# Altium PCB LAB_B3_209_V1.PcbDoc (part 2 of 4) (continued)
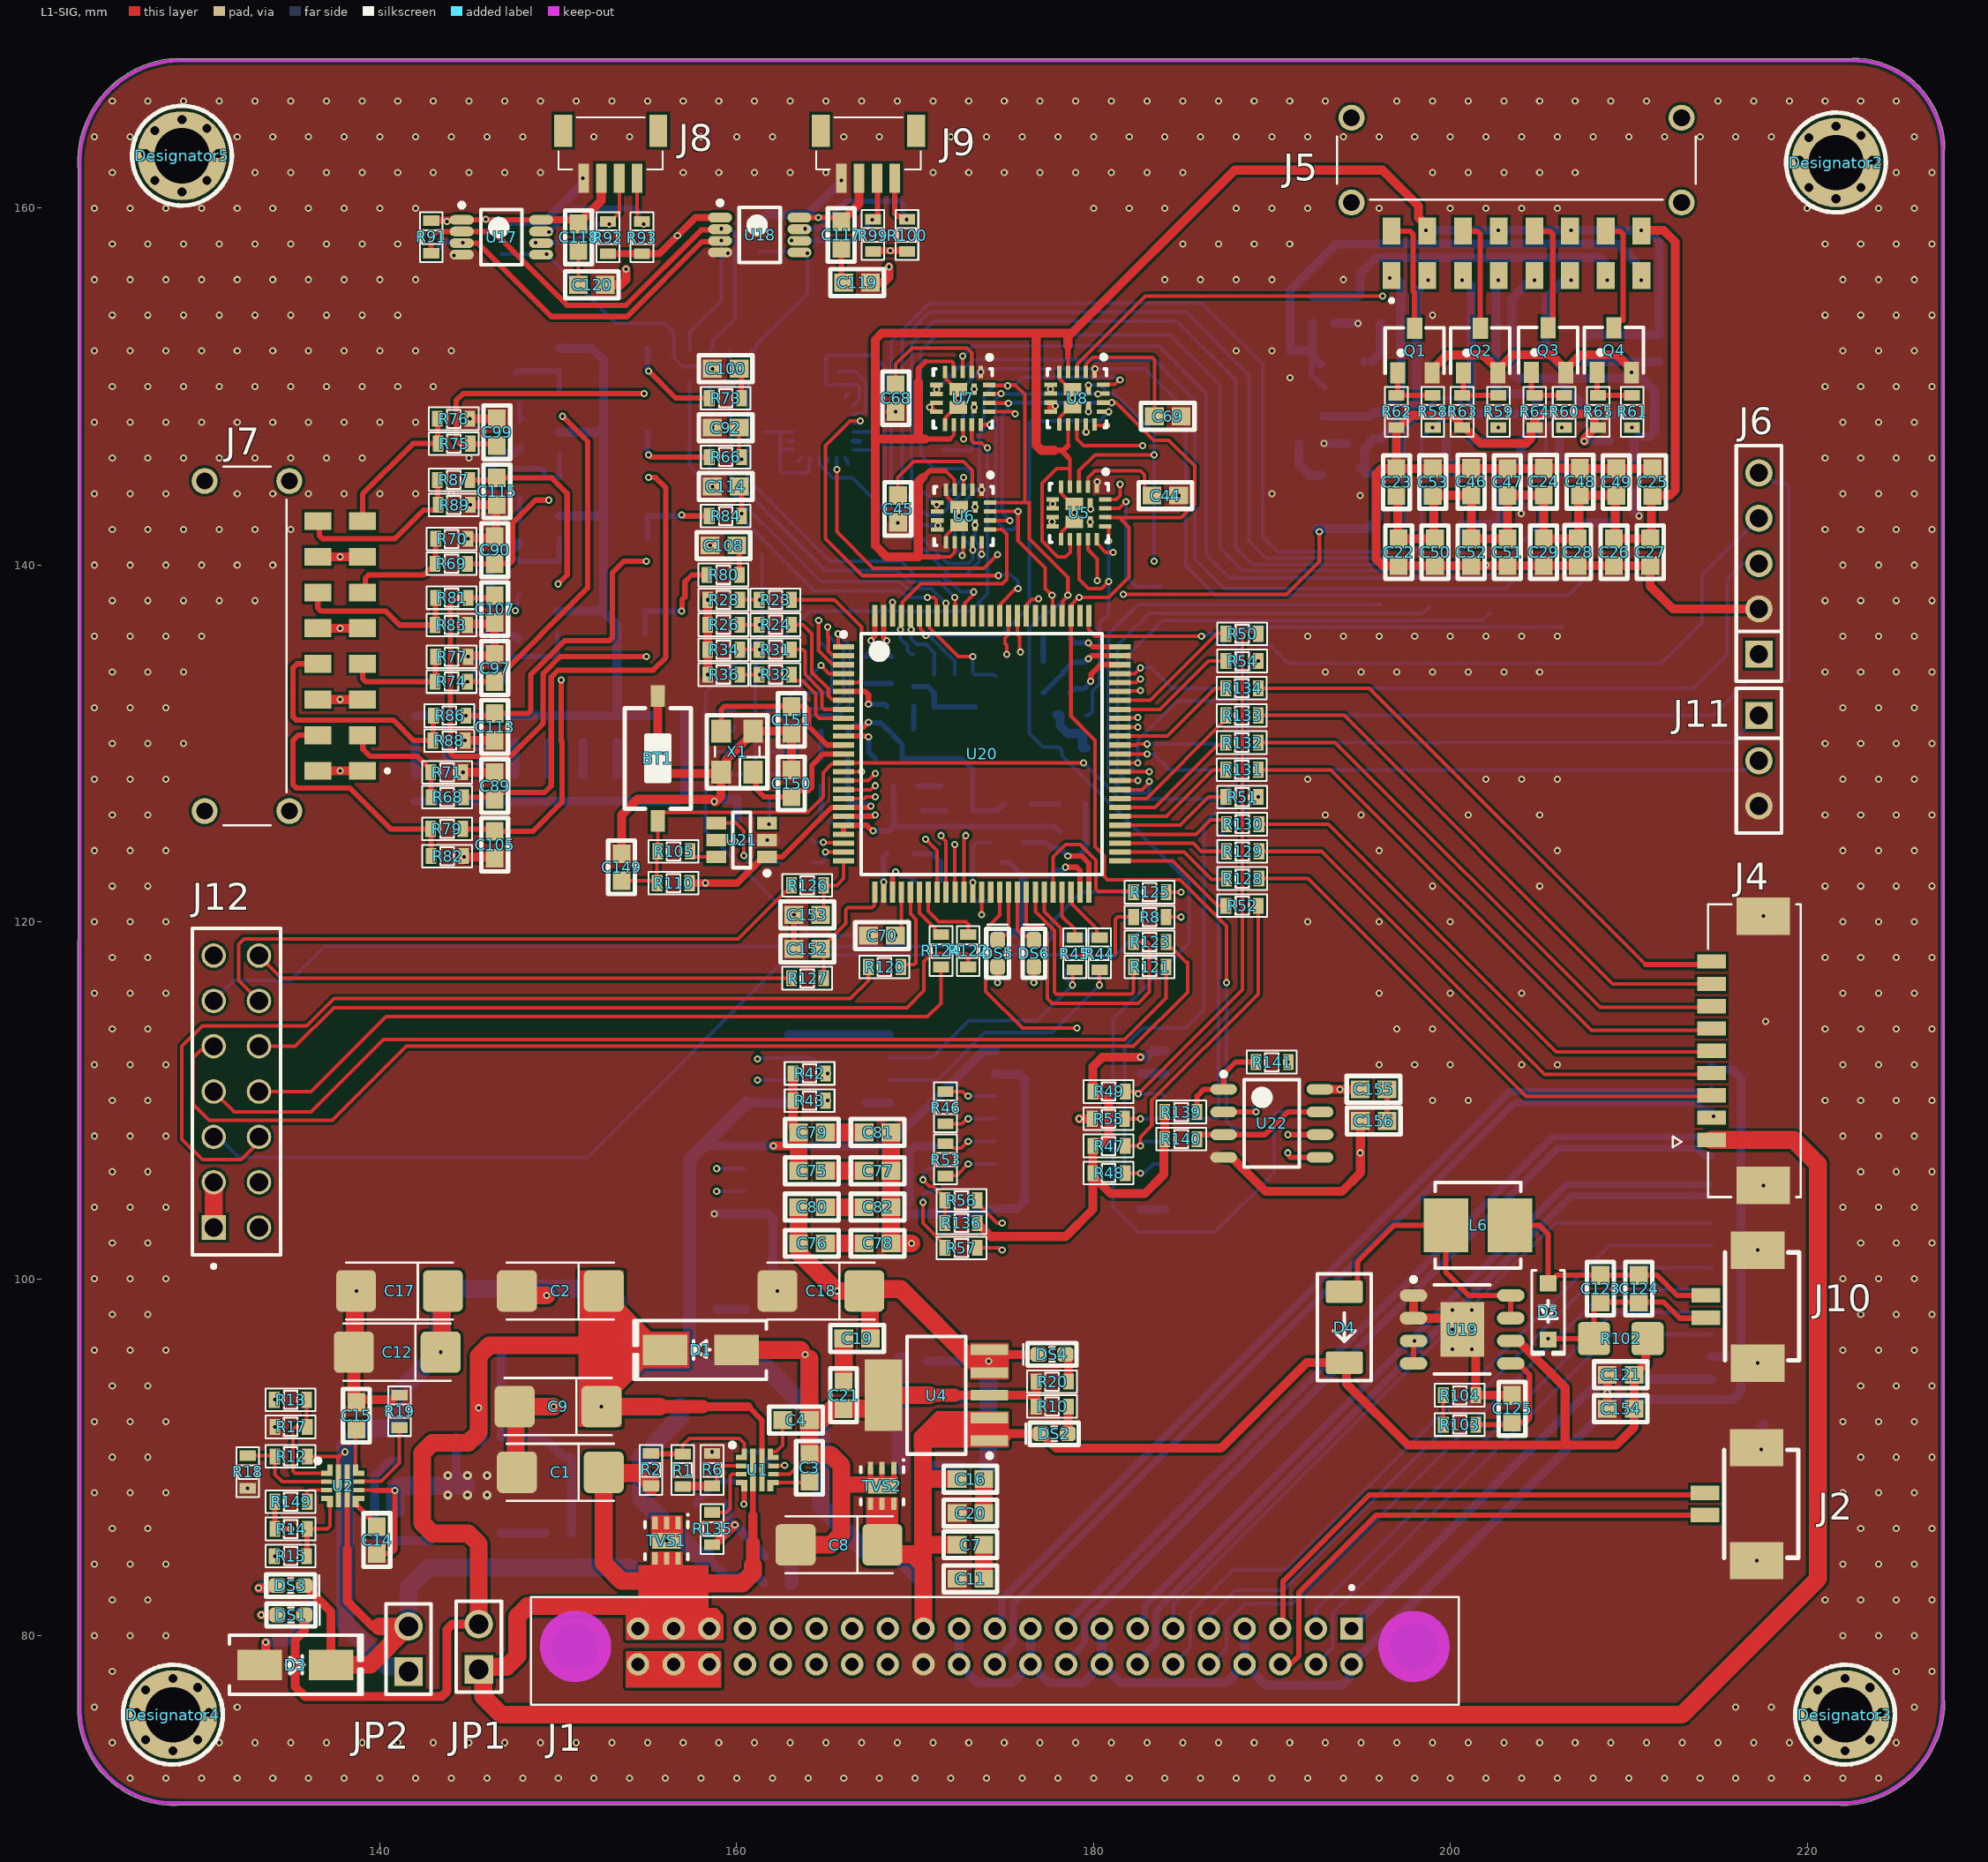
[diagram p0: L1-SIG view]
## Nets (pads, with @x,y where several pads share a name; then routed paths per layer and width w, separated by ;. In a path a pad name is that pad's centre, name@x,y a point inside that pad or via, vN(x,y) a via of type N, cw(c..) or ccw(c..) an arc to the next point about the centre after c; other vN are vias at no path point) (continued)
  L1-SIG w0.2: 170.592,151.415 172.054,151.415 172.146,151.323 172.146,150.84 U7.4@172.171,150.815 ; 171.323,140.462 171.974,140.462 172.22,140.708 U6.11@172.22,141.273 ; 171.704,145.288 172.195,144.797 172.195,144.248 U6.4@172.22,144.223 ; 171.958,147.066 172.171,147.279 U7.11@172.171,147.865 ; 178.562,146.05 178.681,145.931 178.681,145.415 ; 178.562,146.685 178.57,146.693 U8.11@178.57,147.877 ; 178.562,151.638 178.57,151.63 U8.4@178.57,150.827 ; U5.11@178.681,141.449 178.689,141.441 178.689,140.716 178.435,140.462 177.985,140.462 177.106,141.341 177.106,144.594 177.927,145.415 178.681,145.415 ; U5.4@178.681,144.399 178.681,145.415 ; J5.10@198.616,158.762 v2(198.628,158.75)
  L1-SIG w0.3: U2.6@138.171,88.392 138.171,84.84 138.175,84.836 ; 170.18,140.462 171.323,140.462 ; 170.18,150.241 170.18,151.003 170.592,151.415 ; 170.434,144.907 170.815,145.288 171.704,145.288 ; 170.561,147.066 171.958,147.066 ; 177.8,146.431 178.181,146.431 ; 178.562,146.05 178.181,146.431 ; 178.562,146.685 178.308,146.431 178.181,146.431 ; 178.562,151.638 178.562,152.273
  L1-SIG w0.5: DS3.A@135.751,82.804 135.791,82.804 137.255,81.34 D3.2@137.255,78.359 ; 138.175,84.836 138.171,84.832 138.171,81.92 139.573,80.518 139.967,80.518 ; 170.18,150.241 170.18,147.066 ; 170.434,144.907 170.18,144.653 170.18,140.462 168.402,140.462 167.767,141.097 167.767,147.066 ; 170.561,147.066 170.18,147.066 ; 177.8,146.431 177.077,146.431 176.784,146.724 176.784,152.992 ; 178.562,152.273 178.562,152.781 178.773,152.992 ; C23.1@196.977,143.891 197.04,143.827 197.04,141.53 C22.1@197.104,141.466 C50.1@199.136,141.466 199.072,141.53 199.072,143.852 199.015,143.909 201.162,143.909 201.168,143.903 C52.1@201.168,141.466 C51.1@203.2,141.466 C47.1@203.2,143.903 203.206,143.909 205.226,143.909 205.232,143.903 C29.1@205.232,141.466 205.238,141.472 207.131,141.472 C28.1@207.137,141.478 ; v2(198.628,158.75) 198.628,159.048 198.219,159.457 198.219,160.116 196.199,162.136 187.917,162.136 178.773,152.992 ; C28.1@207.143,141.472 C28.1@207.137,141.478 ; v2(210.693,158.75) 211.963,158.75 212.598,158.115 212.598,144.196 212.305,143.903 C25.1@211.328,143.903 211.264,143.839 211.264,141.53 C27.1@211.201,141.466 C26.1@209.169,141.466 209.232,141.53 209.232,143.852 209.29,143.909 207.27,143.909 C48.1@207.264,143.915 207.201,143.852 207.201,141.541 C28.1@207.137,141.478 ; 167.767,147.066 170.18,147.066 ; 167.767,147.066 167.767,152.627 168.132,152.992 176.784,152.992 ; 176.784,152.992 178.773,152.992
  L1-SIG w1: D3.2@137.255,78.359 139.445,78.359 JP2.2@141.604,80.518 139.967,80.518
  L3-VCC w1: v8(154.051,83.693) 204.978,83.693 213.106,91.821 213.106,156.337 v2(210.693,158.75)
  L6-SIG w0.5: v2(198.628,158.75) v2(202.692,158.75) v2(206.756,158.75) v2(210.693,158.75) 211.074,158.75 211.709,158.115 C122.1@211.709,152.896 C139.1@210.312,152.896 C83.1@208.915,152.896 C84.1@207.518,152.896
  L6-SIG w1: JP2.2@141.604,80.518 141.604,82.677 142.747,83.82 C13.1@154.028,83.82
HEATER_1_B: J5.9 Q1.3 | length 6.6
  L1-SIG w0.3: J5.9@196.708,158.718 197.732,158.718 197.908,158.542 197.908,155.344 197.998,155.254 Q1.3@197.998,153.269
HEATER_2_B: J5.11 Q2.3 | length 6.3
  L1-SIG w0.3: J5.11@200.708,158.718 201.505,158.718 201.681,158.542 Q2.3@201.681,153.269
HEATER_3_B: J5.13 Q3.3 | length 6.5
  L1-SIG w0.3: J5.13@204.708,158.718 205.564,158.718 205.74,158.542 205.74,153.543 Q3.3@205.486,153.289
HEATER_4_B: J5.15 Q4.3 | length 6.6
  L1-SIG w0.3: J5.15@208.708,158.718 209.501,158.718 209.677,158.542 209.677,153.719 209.444,153.719 209.169,153.444 Q4.3@209.169,153.289
IR_LED_P: C123.1 C124.1 D5.2 J10.1 R102.2 U19.3 U19.4 | length 20
  L1-SIG w0.3: U19.4@197.935,95.25 U19.3@197.935,96.52 v5(197.993,96.52) ; D5.2@205.486,96.596 205.537,96.647 R102.2@208.05,96.647 208.05,98.309 208.407,98.666 C123.1@208.407,98.691 C124.1@210.566,98.691 211.951,98.691 212.852,97.79 214.293,97.79 J10.1@214.323,97.82
  L4-SIG w0.3: v5(197.993,96.52) 205.359,96.52 v5(205.486,96.647)
ISO_CANH: J1.18 U11.7 | length 28.6
  L4-SIG w0.2: v2(158.877,106.172) 157.988,105.283 157.988,84.963 160.466,82.485 J1.18@160.466,80.391
  L6-SIG w0.2: v2@159.004,106.172 U11.7@160.435,106.172
ISO_CANL: J1.39 U11.6 | length 29.5
  L4-SIG w0.2: v2(158.877,104.902) 159.442,104.337 159.442,85.541 161.544,83.439 161.544,79.469 J1.39@160.466,78.391
  L6-SIG w0.2: v2@159.004,104.902 U11.6@160.435,104.902
ISO_RS485_R+: J1.37 R46.1 U12.14 | length 38.3
  L1-SIG w0.2: R46.1@171.704,110.49 172.666,110.49 172.92,110.236 v2(172.974,110.236)
  L4-SIG w0.2: J1.37@164.466,78.391 165.587,79.512 165.587,102.849 v2(172.974,110.236)
  L6-SIG w0.2: v2(172.974,110.236) U12.14@174.498,110.236
ISO_RS485_R-: J1.36 R46.2 U12.13 | length 36.2
  L1-SIG w0.2: R46.2@171.704,108.674 172.628,108.674 172.92,108.966 v2(172.974,108.966)
  L4-SIG w0.2: J1.36@166.466,78.391 167.587,79.512 167.587,103.579 v2(172.974,108.966)
  L6-SIG w0.2: v2(172.974,108.966) U12.13@174.498,108.966
ISO_RS485_T+: J1.16 R53.2 U12.11 | length 43.3
  L1-SIG w0.2: R53.2@171.704,105.753 171.74,105.789 172.337,105.789 v2(172.974,106.426)
  L4-SIG w0.2: J1.16@164.466,80.391 164.592,80.517 164.592,102.743 172.593,110.744 173.99,110.744 174.498,110.236 174.498,108.584 172.974,107.06 v2(172.974,106.426)
  L6-SIG w0.2: v2(172.974,106.426) U12.11@174.498,106.426
ISO_RS485_T-: J1.15 R53.1 U12.12 | length 38.2
  L1-SIG w0.2: R53.1@171.704,107.569 171.854,107.569 172.108,107.315 172.593,107.315 v2(172.974,107.696)
  L4-SIG w0.2: J1.15@166.466,80.391 166.466,103.094 172.973,109.601 173.873,109.601 173.99,109.484 173.99,108.712 v2(172.974,107.696)
  L6-SIG w0.2: v2(172.974,107.696) U12.12@174.498,107.696
ISO_SCL: 10.3 J1.17 R42.1 | length 37.2
  L4-SIG w0.2: v2(161.163,112.326) 161.112,112.326 160.713,111.927 160.713,88.334 162.466,86.581 J1.17@162.466,80.391
  L6-SIG w0.2: v2(161.163,112.326) 161.198,112.361 162.876,112.361 10.3@162.91,112.395 164.211,112.395 v2(165.1,111.506)
ISO_SDA: 10.2 J1.38 R43.1 | length 38.6
  L4-SIG w0.2: v2(161.163,111.125) 162.814,109.474 162.814,90.043 163.587,89.27 163.587,79.512 J1.38@162.466,78.391
  L6-SIG w0.2: v2(161.163,111.125) 10.2@162.91,111.125 163.957,111.125 v2(165.1,109.982)
"LED B": DS6.A U20.42 | length 3.3
  L1-SIG w0.2: U20.42@175.736,121.663 175.736,119.539 176.09,119.185 176.459,119.185 DS6.A@176.657,118.987
"LED G": DS5.A U20.41 | length 3.1
  L1-SIG w0.2: DS5.A@174.625,118.987 174.897,119.259 175.119,119.259 175.236,119.376 U20.41@175.236,121.663
"MCU NRST": BT1.1 C149.1 R105.1 R110.2 R117.2 U20.14 | length 45.8
  L1-SIG w0.2: C149.1@153.543,122.313 155.398,122.313 R110.2@155.537,122.174 155.537,123.914 R105.1@155.575,123.952 BT1.1@155.575,125.659 155.575,125.837 155.875,126.137 163.983,126.137 164.846,127 164.846,128.377 165.332,128.863 165.936,128.863 U20.14@165.986,128.913 165.99,128.909 179.447,128.909 v2(179.451,128.905)
  L6-SIG w0.2: v2(179.451,128.905) 181.483,126.873 186.905,126.873 188.087,128.055 188.087,131.455 187.97,131.572 R117.2@187.414,131.572
"MCU SWCLK": R116.2 U20.76 | length 9
  L1-SIG w0.2: U20.76@179.736,137.163 179.705,137.132 179.705,136.398 180.087,136.016 v2(186.054,136.016)
  L6-SIG w0.2: v2(186.054,136.016) 186.093,136.055 186.365,136.055 186.454,136.144 186.779,136.144 R116.2@187.414,135.509
"MCU SWDIO": R115.2 U20.72 | length 6.5
  L1-SIG w0.2: U20.72@181.486,133.913 182.299,133.913 182.625,134.239 v2(182.626,134.239)
  L6-SIG w0.2: v2(182.626,134.239) 183.261,134.239 184.404,133.096 R115.2@187.414,133.096
"MCU VDDA": C131.1 C133.1 L7.2 U20.21 U20.22 | length 15.2
  L1-SIG w0.3: U20.22@165.986,124.913 U20.21@165.986,125.413 167.295,125.413 167.613,125.095 v2(167.64,125.095)
  L6-SIG w0.3: v2(167.64,125.095) 168.541,125.095 168.795,125.349 ; C133.1@168.783,127.635 168.783,126.25 C131.1@168.795,126.238 168.795,125.349 ; L7.2@178.081,125.095 177.827,125.349 168.795,125.349
MCU_ADC_TEMP1: C92.1 R66.1 U20.15 | length 30.9
  L1-SIG w0.2: C92.1@160.135,147.701 160.135,146.189 R66.1@160.274,146.05 ; U20.15@165.986,128.413 v2(167.005,128.413)
  L4-SIG w0.2: v5(160.274,145.923) 158.75,145.923 156.464,143.637 156.464,132.486 158.05,130.9 160.537,128.413 v2(167.005,128.413)
MCU_ADC_TEMP2: C98.1 R72.2 U20.16 | length 37.7
  L1-SIG w0.2: U20.16@165.986,127.913 167.371,127.913 v2(167.767,128.309)
  L4-SIG w0.2: v6@147.955,148.208 147.955,146.812 150.437,144.33 150.437,136.075 159.385,127.127 163.449,127.127 164.285,127.963 167.406,127.963 167.752,128.309 v2(167.767,128.309)
  L6-SIG w0.3: C98.1@147.828,148.07 147.828,148.081 v6(147.956,148.208) ; C98.1@147.828,148.203 R72.2@147.828,149.06
MCU_ADC_TEMP3: C91.1 R67.2 U20.17 | length 36.4
  L1-SIG w0.2: U20.17@165.986,127.413 167.491,127.413 167.713,127.635 v2(167.767,127.635)
  L4-SIG w0.2: v6(147.828,143.667) 149.225,142.27 149.225,132.715 155.664,126.276 163.868,126.276 165.205,127.613 167.745,127.613 v2(167.767,127.635)
  L6-SIG w0.3: C91.1@147.828,142.494 C91.1@147.828,142.736 R67.2@147.828,143.726
MCU_ADC_TEMP4: C100.1 R73.1 U20.18 | length 56.9
  L1-SIG w0.2: U20.18@165.986,126.913 167.167,126.913 167.254,127 v2(167.767,127)
  L1-SIG w0.3: C100.1@160.135,151.003 160.274,150.864 R73.1@160.274,149.352
  L4-SIG w0.2: v5(160.02,150.876) 159.2,150.056 149.167,150.056 146.939,147.828 146.939,140.97 148.59,139.319 148.59,131.318 153.982,125.926 164.788,125.926 165.862,127 v2(167.767,127)
MCU_ADC_TEMP5: C106.1 R78.2 U20.33 | length 34.3
  L1-SIG w0.2: v2(170.587,124.642) 171.236,123.993 U20.33@171.236,121.663
  L4-SIG w0.2: v6(145.288,133.731) 145.288,132.461 152.781,124.968 164.974,124.968 165.3,124.642 v2(170.587,124.642)
  L6-SIG w0.3: v6(145.288,133.731) 145.415,133.604 C106.1@145.427,133.604 ; C106.1@145.377,133.731 R78.2@145.377,134.747
MCU_ADC_TEMP6: C114.1 R84.1 U20.34 | length 34.2
  L1-SIG w0.2: v2(171.45,124.841) 171.45,124.787 171.736,124.501 U20.34@171.736,121.663
  L1-SIG w0.3: C114.1@160.135,144.399 160.274,144.26 R84.1@160.274,142.748
  L4-SIG w0.2: v5(160.274,142.875) 157.988,140.589 157.988,131.457 160.159,129.286 168.148,129.286 171.45,125.984 v2(171.45,124.841)
MCU_ADC_TEMP7: C108.1 R80.1 U20.35 | length 32.5
  L1-SIG w0.2: v2(172.212,124.333) 172.224,124.321 172.224,121.675 U20.35@172.236,121.663
  L1-SIG w0.3: C108.1@160.008,141.097 160.147,140.958 R80.1@160.147,139.446
  L4-SIG w0.2: v5(160.02,141.097) 158.75,139.827 158.75,131.19 160.019,129.921 169.037,129.921 172.212,126.746 v2(172.212,124.333)
MCU_ADC_TEMP8: C116.1 R85.2 U20.36 | length 45.1
  L1-SIG w0.2: U20.36@172.736,121.663 172.736,124.73 v2(172.847,124.841)
  L4-SIG w0.2: v5(147.594,137.434) 146.07,137.434 144.399,135.763 144.399,131.826 152.966,123.259 171.774,123.259 172.847,124.332 v2(172.847,124.841)
  L6-SIG w0.2: C116.1@147.701,137.39 147.701,138.265 R85.2@147.828,138.392
MCU_EF_5_AUX: R15.2 U20.84 | length 89.1
  L1-SIG w0.2: U20.84@175.736,137.163 175.736,136.109 175.857,135.988 175.857,135.166 v2(175.895,135.128)
  L4-SIG w0.2: v2(134.112,84.455) 153.543,84.455 154.305,85.217 154.305,110.744 158.369,114.808 171.323,114.808 172.72,116.205 172.72,120.396 173.99,121.666 173.99,123.825 175.895,125.73 v2(175.895,135.128)
MCU_EF_5_EN: R13.2 U20.85 | length 78.5
  L1-SIG w0.2: v2(175.134,135) 175.134,135.511 175.044,135.6 175.044,135.917 175.236,136.109 U20.85@175.236,137.163
  L4-SIG w0.2: v5(134.112,93.218) 151.003,93.218 152.908,95.123 152.908,111.252 157.353,115.697 170.307,115.697 171.831,117.221 171.831,121.444 173.228,122.841 173.228,124.333 175.134,126.239 v2(175.134,135)
MCU_EF_12_AUX: R4.2 U20.38 | length 46.7
  L1-SIG w0.2: v2(173.736,120.396) U20.38@173.736,121.663
  L4-SIG w0.2: v6(157.48,88.646) 157.48,110.998 160.274,113.792 171.704,113.792 173.99,116.078 173.99,120.142 v2(173.736,120.396)
MCU_EXP_CAN_RX: R57.1 U20.70 | length 39.2
  L1-SIG w0.2: R57.1@173.482,101.727 174.698,101.727 174.825,101.6 v5(174.879,101.6) ; U20.70@181.486,132.913 181.514,132.941 182.598,132.941 v5(182.626,132.969)
  L4-SIG w0.2: v5(174.879,101.6) 173.99,102.489 173.99,103.505 177.292,106.807 177.292,118.872 183.642,125.222 183.642,132.715 183.388,132.969 v5(182.626,132.969)
MCU_EXP_CAN_TX: R56.1 U20.71 | length 38.6
  L1-SIG w0.2: R56.1@173.482,104.394 173.482,104.244 174.602,103.124 v5(174.879,103.124) ; U20.71@181.486,133.413 182.386,133.413 182.577,133.604 v5(182.626,133.604)
  L4-SIG w0.2: v5(174.879,103.124) 177.8,106.045 177.8,118.491 184.023,124.714 184.023,133.096 183.515,133.604 v5(182.626,133.604)
MCU_EXP_RS485_DE: R52.2 U20.51 | length 7
  L1-SIG w0.2: U20.51@181.486,123.413 184.435,123.413 186.931,120.917 187.401,120.917 R52.2@187.414,120.904
MCU_EXP_RS485_R\E\: R51.2 U20.55 | length 6.6
  L1-SIG w0.2: U20.55@181.486,125.413 184.849,125.413 186.436,127 R51.2@187.414,127
MCU_EXP_RS485_RX: R50.2 U20.69 | length 7.5
  L1-SIG w0.2: U20.69@181.486,132.413 183.165,132.413 186.931,136.179 187.449,136.179 R50.2@187.462,136.192
MCU_EXP_RS485_TX: R54.2 U20.68 | length 7
  L1-SIG w0.2: U20.68@181.486,131.913 183.729,131.913 186.436,134.62 R54.2@187.414,134.62
MCU_EXP_SCL: R45.1 U20.47 | length 2.8
  L1-SIG w0.2: U20.47@178.236,121.663 178.236,120.311 178.938,119.609 178.938,119.131 R45.1@178.943,119.126
MCU_EXP_SDA: R44.1 U20.48 | length 3.2
  L1-SIG w0.2: U20.48@178.736,121.663 178.786,121.613 178.786,121.009 180.187,119.609 180.187,119.28 R44.1@180.34,119.126
MCU_FRAM_C\S\: R141.2 U20.83 | length 41.3
  L1-SIG w0.2: U20.83@176.236,137.163 176.286,137.213 176.286,137.817 176.543,138.073 176.878,138.073 v2(176.916,138.112)
  L4-SIG w0.2: v2(176.916,138.112) 176.955,138.15 176.955,138.407 178.121,139.573 187.071,139.573 190.881,135.763 v2(190.881,112.141)
MCU_HEATER_PWM1: R58.1 U20.59 | length 40.1
  L1-SIG w0.2: U20.59@181.486,127.413 182.736,127.413 183.134,127.811 v2(183.134,127.863)
  L4-SIG w0.2: v6(196.088,137.795) 199.009,140.716 v5(199.009,147.701)
  L6-SIG w0.2: v2(183.134,127.863) 183.134,127.35 183.007,127.223 181.768,127.223 180.848,128.143 180.848,136.144 182.499,137.795 v6(196.088,137.795)
MCU_HEATER_PWM2: R59.1 U20.60 | length 39.4
  L1-SIG w0.2: U20.60@181.486,127.913 v2(182.475,127.913) v2@182.499,127.889
  L4-SIG w0.2: v6(198.817,137.668) 202.692,141.543 v5(202.692,147.701)
  L6-SIG w0.2: v2(182.475,127.913) 181.84,127.913 181.356,128.397 181.356,135.509 183.134,137.287 198.436,137.287 v6(198.817,137.668)
MCU_HEATER_PWM3: R60.1 U20.61 | length 42.6
  L1-SIG w0.2: U20.61@181.486,128.413 v2(183.118,128.413) v2@183.134,128.397
  L4-SIG w0.2: v6(202.218,137.294) 202.241,137.271 202.549,137.271 206.248,140.97 v5(206.248,147.701)
  L6-SIG w0.2: v2(183.118,128.413) 182.355,128.413 181.991,128.777 181.991,135.011 183.886,136.906 201.83,136.906 v6(202.218,137.294)
MCU_HEATER_PWM4: R61.1 U20.62 | length 43.5
  L1-SIG w0.2: U20.62@181.486,128.913 v2(182.491,128.913) v2@182.499,128.905
  L4-SIG w0.2: v6(206.248,136.525) 210.116,140.393 210.116,143.985 210.185,144.054 v5(210.185,147.701)
  L6-SIG w0.2: v2(182.491,128.913) 182.491,130.167 184.709,132.385 187.807,132.385 188.087,132.665 188.087,136.104 188.508,136.525 v6(206.248,136.525)
MCU_IR_LED_PWM: R103.2 R104.2 U20.40 | length 42.8
  L1-SIG w0.2: U20.40@174.736,121.663 174.736,120.38 173.99,119.634 173.99,119.447 173.96,119.417 173.96,116.108 176.022,114.046 v2(179.07,114.046) ; v5(199.517,93.472) 199.606,93.383 R103.2@199.606,91.821
  L4-SIG w0.2: v2(179.07,114.046) 179.451,114.046 199.517,93.98 v5(199.517,93.472)
MCU_IRQ_0: J1.35 U20.67 | length 60.7
  L1-SIG w0.2: U20.67@181.486,131.413 181.511,131.438 182.459,131.438 v2(182.484,131.463)
  L4-SIG w0.2: J1.35@168.466,78.391 169.587,79.512 169.587,100.245 176.022,106.68 176.022,123.698 183.134,130.81 183.134,131.257 182.89,131.501 182.522,131.501 v2(182.484,131.463)
MCU_IRQ_1: J1.14 U20.66 | length 57.3
  L1-SIG w0.2: U20.66@181.486,130.913 v2(182.475,130.913)
  L4-SIG w0.2: J1.14@168.466,80.391 168.466,100.648 175.387,107.569 175.387,123.825 v2(182.475,130.913)
MCU_LASER_ADC1: C153.1 R126.2 U20.25 | length 4
  L1-SIG w0.2: C153.1@164.453,120.777 C153.1@164.456,120.78 ; C153.1@164.707,120.396 164.884,120.573 R126.2@164.884,122.047 165.608,122.047 165.986,122.425 U20.25@165.986,123.413
MCU_LASER_ADC2: C152.1 R127.2 U20.26 | length 7
  L1-SIG w0.2: R127.2@164.884,116.84 164.884,118.314 C152.1@164.707,118.491 164.732,118.491 165.132,118.891 165.132,118.916 166.116,119.9 166.116,120.682 166.233,120.799 167.592,120.799 167.709,120.916 167.709,121.636 U20.26@167.736,121.663
MCU_LASER_DAC_CS: R123.1 U20.43 | length 16.6
  L1-SIG w0.2: U20.43@176.236,121.663 176.236,119.878 176.353,119.761 177.051,119.761 177.419,119.393 177.419,115.697 177.673,115.443 182.499,115.443 183.134,116.078 183.134,118.755 183.017,118.872 R123.1@182.245,118.872
MCU_LASER_DAC_LATCH: R125.1 U20.46 | length 8.8
  L1-SIG w0.2: U20.46@177.736,121.663 177.736,123.634 178.435,124.333 179.255,124.333 180.136,123.452 180.136,121.837 180.253,121.72 182.191,121.72 R125.1@182.245,121.666
MCU_LASER_MISO: R124.2 U20.31 | length 3
  L1-SIG w0.2: U20.31@170.236,121.663 170.236,120.505 171.1,119.641 171.1,119.491 171.3,119.291 R124.2@171.45,119.291
MCU_LASER_MOSI: R122.2 U20.32 | length 4.2
  L1-SIG w0.2: U20.32@170.736,121.663 170.736,120.602 171.323,120.015 172.847,120.015 172.974,119.888 R122.2@172.974,119.291
MCU_LASER_SCK: R120.2 U20.30 | length 5
  L1-SIG w0.2: R120.2@169.202,117.475 169.329,117.602 169.936,117.602 170.053,117.719 170.053,120.142 169.736,120.459 U20.30@169.736,121.663
MCU_LASER_SW_EXT_CS: R121.1 U20.44 | length 12
  L1-SIG w0.2: U20.44@176.736,121.663 176.736,120.571 177.673,119.634 177.683,119.634 177.8,119.517 177.8,116.068 177.917,115.951 182.128,115.951 182.245,116.068 R121.1@182.245,117.475
MCU_LASER_SW_INT_CS: R8.1 U20.45 | length 10
  L1-SIG w0.2: U20.45@177.236,121.663 177.236,120.579 178.181,119.634 178.181,118.237 178.308,118.11 181.112,118.11 181.229,118.227 181.229,120.152 181.346,120.269 R8.1@182.245,120.269
MCU_PHOTO_ADC_CONV: R133.1 U20.58 | length 8
  L1-SIG w0.2: U20.58@181.486,126.913 182.967,126.913 187.214,131.16 187.214,131.372 R133.1@187.414,131.572
MCU_PHOTO_ADC_CS: R132.1 U20.57 | length 7.4
  L1-SIG w0.2: U20.57@181.486,126.413 183.436,126.413 186.931,129.908 187.275,129.908 R132.1@187.414,130.048
MCU_PHOTO_ADC_EOC: R134.1 U20.65 | length 7
  L1-SIG w0.2: U20.65@181.486,130.413 184.134,130.413 186.817,133.096 R134.1@187.414,133.096
MCU_PHOTO_MISO: R129.1 U20.53 | length 6.2
  L1-SIG w0.2: U20.53@181.486,124.413 185.594,124.413 186.055,123.952 R129.1@187.452,123.952
MCU_PHOTO_MOSI: R130.1 U20.54 | length 6.4
  L1-SIG w0.2: U20.54@181.486,124.913 185.746,124.913 186.563,125.73 187.252,125.73 187.452,125.53 R130.1@187.452,125.476
MCU_PHOTO_PD_CS: R131.1 U20.56 | length 7
  L1-SIG w0.2: U20.56@181.486,125.913 184.079,125.913 186.69,128.524 R131.1@187.414,128.524
MCU_PHOTO_SCK: R128.1 U20.52 | length 6.6
  L1-SIG w0.2: U20.52@181.486,123.913 185.078,123.913 186.602,122.389 187.413,122.389 R128.1@187.452,122.428
MCU_SENSOR1_EN: R96.1 U20.91 | length 21.6
  L1-SIG w0.2: v2(172.212,138.176) 172.236,138.152 U20.91@172.236,137.163
  L6-SIG w0.2: R96.1@159.639,150.241 159.639,145.034 164.973,139.7 169.011,139.7 169.646,139.065 171.323,139.065 v2(172.212,138.176)
MCU_SENSOR2_EN: R97.2 U20.90 | length 22.3
  L1-SIG w0.2: U20.90@172.736,137.163 172.786,137.213 172.786,137.861 173.253,138.328 173.253,138.456 v2(173.291,138.494)
  L6-SIG w0.2: R97.2@160.782,150.203 160.632,150.053 160.632,144.803 165.227,140.208 169.2,140.208 169.993,139.415 171.468,139.415 171.787,139.096 171.928,139.096 172.53,138.494 v2(173.291,138.494)
MCU_SENSOR_SCL: R94.1 U20.92 | length 22
  L1-SIG w0.2: U20.92@171.735,137.164 v2(171.734,137.864)
  L6-SIG w0.2: R94.1@158.496,150.241 158.496,145.288 164.719,139.065 169.151,139.065 169.532,138.684 170.914,138.684 v2(171.734,137.864)
MCU_SENSOR_SDA: R95.1 U20.93 | length 22.5
  L1-SIG w0.2: v2(170.688,138.176) 171.069,138.176 171.186,138.059 171.186,137.213 U20.93@171.236,137.163
  L6-SIG w0.2: R95.1@157.353,150.241 157.353,145.542 164.338,138.557 169.164,138.557 169.545,138.176 v2(170.688,138.176)
MCU_TEC_1_C\S\: R145.1 U5.15 U20.98 | length 28.7
  L1-SIG w0.2: U20.98@168.736,137.163 v2(168.736,137.915) ; U5.15@180.656,142.174 180.823,142.174 180.848,142.149 v2(180.848,141.351)
  L4-SIG w0.2: v2(168.736,137.915) 168.736,136.199 169.426,135.509 171.45,135.509 177.292,141.351 v2(180.848,141.351)
  L6-SIG w0.2: R145.1@179.578,131.572 179.728,131.572 179.928,131.772 179.928,132.937 180.34,133.349 180.34,136.766 180.848,137.274 v2(180.848,141.351)
MCU_TEC_1_EN: R23.1 U20.5 | length 8.6
  L1-SIG w0.2: R23.1@163.068,138.049 165.481,138.049 167.005,136.525 167.005,133.604 166.814,133.413 U20.5@165.986,133.413
MCU_TEC_1_SWEN: R21.1 U20.4 | length 5.6
  L1-SIG w0.2: v2(164.719,134.366) 165.172,133.913 U20.4@165.986,133.913
  L6-SIG w0.2: R21.1@161.671,131.826 162.179,131.826 v2(164.719,134.366)
MCU_TEC_2_C\S\: R146.1 U6.15 U20.97 | length 13.3
  L1-SIG w0.2: v2(169.187,136.384) 169.211,136.409 169.211,137.138 U20.97@169.236,137.163 169.286,137.213 169.286,137.917 170.313,138.944 174.885,138.944 175.133,139.192 175.133,141.732 174.867,141.998 U6.15@174.195,141.998
  L6-SIG w0.2: v2(169.187,136.384) 169.187,135.866 169.576,135.477 169.576,135.201 169.776,135.001 R146.1@169.926,135.001
MCU_TEC_2_EN: R24.1 U20.7 | length 6.2
  L1-SIG w0.2: R24.1@163.068,136.652 163.703,136.652 164.211,136.144 164.211,133.985 165.136,133.06 165.136,132.659 165.332,132.463 165.936,132.463 U20.7@165.986,132.413
MCU_TEC_2_SWEN: R22.1 U20.3 | length 12.6
  L1-SIG w0.2: v2(164.592,136.906) 164.592,135.203 165.332,134.463 165.936,134.463 U20.3@165.986,134.413
  L6-SIG w0.2: R22.1@161.671,130.683 162.316,130.683 162.433,130.8 162.433,131.318 163.957,132.842 165.227,132.842 165.354,132.969 165.354,135.001 164.592,135.763 v2(164.592,136.906)
MCU_TEC_3_C\S\: R147.1 U7.15 U20.96 | length 21.4
  L1-SIG w0.2: U20.96@169.736,137.163 169.759,137.14 169.759,136.412 v2(169.783,136.389) ; U7.15@174.146,148.59 175.46,148.59 175.587,148.463 v2(175.603,148.463)
  L4-SIG w0.2: v2(169.783,136.389) 170.681,137.287 172.72,137.287 174.124,138.691 174.124,140.85 174.739,141.465 174.859,141.465 174.859,147.681 175.603,148.425 v2(175.603,148.463)
  L6-SIG w0.2: v2(169.783,136.389) 169.783,135.852 170.084,135.551 170.61,135.551 171.069,135.093 R147.1@171.069,133.858
MCU_TEC_3_EN: R31.1 U20.8 | length 5.6
  L1-SIG w0.2: R31.1@163.068,135.255 163.713,135.255 163.83,135.138 163.83,133.871 164.786,132.915 164.786,132.03 164.903,131.913 U20.8@165.986,131.913
MCU_TEC_3_SWEN: R29.1 U20.1 | length 12.6
  L1-SIG w0.2: v2(165.681,136.144) 165.681,135.463 165.731,135.413 U20.1@165.986,135.413
  L6-SIG w0.2: R29.1@161.798,128.27 162.941,128.27 163.322,128.651 163.322,130.683 164.211,131.572 165.735,131.572 166.37,132.207 166.37,135.455 v2(165.681,136.144)
MCU_TEC_4_C\S\: R148.1 U8.15 U20.95 | length 25.5
  L1-SIG w0.2: U20.95@170.236,137.163 170.286,137.113 170.286,136.427 170.602,136.112 v2(170.602,136.058)
  L6-SIG w0.2: v2(170.602,136.058) 174.793,136.058 176.403,137.668 176.403,147.965 176.52,148.082 180.343,148.082 v2(180.846,148.585) ; 170.813,136.019 171.512,135.32 172.212,134.62 R148.1@172.212,133.858
MCU_TEC_4_EN: R32.1 U20.9 | length 4.7
  L1-SIG w0.2: R32.1@163.068,133.858 163.068,133.708 163.268,133.508 163.698,133.508 164.436,132.77 164.436,131.601 164.624,131.413 U20.9@165.986,131.413
MCU_TEC_4_SWEN: R30.1 U20.2 | length 13.2
  L1-SIG w0.2: v2(165.1,136.525) 165.1,135.994 165.136,135.958 165.136,135.159 165.332,134.963 165.936,134.963 U20.2@165.986,134.913
  L6-SIG w0.2: R30.1@161.671,129.54 162.824,129.54 162.941,129.657 162.941,131.064 163.83,131.953 165.481,131.953 165.989,132.461 165.989,135.341 165.636,135.694 165.495,135.694 165.138,136.05 165.138,136.487 v2(165.1,136.525)
MCU_TEC_ADC: C70.1 R39.1 U20.29 | length 37.6
  L1-SIG w0.2: C70.1@168.891,119.234 169.236,119.579 U20.29@169.236,121.663
  L4-SIG w0.2: v6(161.416,140.588) 161.416,140.642 161.544,140.77 v6(161.544,145.669)
  L6-SIG w0.2: v6@161.417,140.588 161.417,136.017 158.242,132.842 158.242,125.094 164.083,119.253 v2(168.91,119.253)
MCU_TEC_ADC_CS: U9.21 U20.86 | length 22.5
  L1-SIG w0.2: v2(166.936,148.074) 166.362,148.074 164.973,146.685 164.973,141.478 167.044,139.407 v2(174.664,139.407) ; U20.86@174.736,137.163 174.786,137.213 174.786,137.817 175.614,138.645 175.73,138.645 v2(175.769,138.683)
  L6-SIG w0.2: U9.21@166.546,147.951 166.936,147.951 v2(166.936,148.074) ; v2(174.664,139.407) 174.702,139.445 175.156,139.445 ; 175.157,139.446 175.387,139.446 175.769,139.064 v2(175.769,138.683)
MCU_TEC_MISO: R38.1 R144.2 U5.18 U6.18 U7.18 U8.18 U9.19 U20.79 | length 123
  L1-SIG w0.2: U7.18@174.146,150.09 174.17,150.066 175.167,150.066 v2(175.191,150.041) ; U6.18@174.195,143.498 176.149,143.498 ; v2@175.191,150.066 v2@175.304,150.066 ; v2@175.329,150.09 175.617,150.09 176.149,149.558 176.149,143.498 ; U20.79@178.236,137.163 178.286,137.213 178.286,137.973 178.562,138.249 178.562,139.319 176.403,141.478 176.403,143.498 176.149,143.498 ; U8.18@180.545,150.102 180.57,150.127 181.188,150.127 181.429,150.368 v2(181.483,150.368) ; U5.18@180.656,143.674 181.266,143.674 181.483,143.891 v5(181.483,144.526)
  L4-SIG w0.2: v5(181.483,144.526) v2(181.483,150.368)
  L6-SIG w0.2: U9.19@166.546,148.951 166.546,148.967 166.878,149.299 166.878,149.997 166.761,150.114 165.09,150.114 164.973,150.231 164.973,151.638 165.1,151.765 167.64,151.765 168.275,151.13 168.275,143.637 171.831,140.081 172.975,140.081 173.228,140.334 173.228,140.97 172.72,141.478 172.72,143.51 173.609,144.399 173.609,147.32 173.863,147.574 173.863,149.479 174.498,150.114 174.791,150.114 174.825,150.08 175.153,150.08 v2(175.191,150.041) ; v2@175.191,150.08 175.29,150.08 v2@175.292,150.078 ; v2@175.329,150.114 175.579,150.114 175.603,150.09 176.039,150.526 181.271,150.526 181.429,150.368 v2(181.483,150.368) ; v2(178.562,138.303) 177.638,137.379 177.288,137.379 176.402,136.494 176.402,130.557 177.165,129.794 178.035,129.794 178.235,129.594 178.235,129.328 185.362,122.202 185.362,118.814 181.102,114.554 181.102,104.013 182.499,102.616 186.817,102.616 190.119,105.918 190.119,109.23 190.236,109.347 R144.2@190.919,109.347
MCU_TEC_MOSI: R143.2 U5.17 U6.17 U7.17 U8.17 U9.24 U20.80 | length 87.1
  L1-SIG w0.2: U7.17@174.146,149.59 174.154,149.598 174.813,149.598 v2(174.821,149.606) ; U6.17@174.195,142.998 174.197,143 175.766,143 v2(175.768,143.002) 175.768,141.364 177.292,139.84 177.292,138.684 v2(177.673,138.303) 177.704,138.272 177.704,137.195 U20.80@177.736,137.163 ; U5.17@180.656,143.174 181.451,143.174 v2(181.826,143.548)
  L4-SIG w0.2: v6(167.698,146.451) 167.718,146.431 170.929,146.431 172.847,148.349 172.847,150.241 173.355,150.749 174.498,150.749 174.639,150.608 174.639,149.842 174.821,149.66 v2(174.821,149.606) ; v2(180.246,149.577) 180.246,144.874 181.545,143.575 181.799,143.575 v2(181.826,143.548) ; v6(183.769,138.811) 186.563,138.811 189.992,135.382 189.992,108.925 189.103,108.036 v6(189.103,106.934)
  L6-SIG w0.2: U9.24@166.546,146.451 v6(167.698,146.451) ; v2(174.821,149.606) v2@174.807,149.591 ; v2(175.768,143.002) 175.768,142.24 175.514,141.986 175.006,141.986 174.509,142.483 174.509,148.983 174.516,148.991 174.516,149.301 v2@174.807,149.591 ; v2(180.246,149.577) 180.231,149.591 v2@174.807,149.591 ; v2(181.826,143.548) 181.826,139.357 182.372,138.811 v6(183.769,138.811)
MCU_TEC_SCK: R142.2 U5.16 U6.16 U7.16 U8.16 U9.22 U20.78 | length 87
  L1-SIG w0.2: U7.16@174.146,149.09 174.159,149.077 175.213,149.077 v2(175.226,149.064) ; U6.16@174.195,142.498 174.197,142.496 175.307,142.496 v2(175.309,142.494) ; U8.16@180.545,149.102 181.267,149.102 183.373,146.997 184.219,146.997 185.674,145.542 185.674,143.413 184.91,142.649 181.455,142.649 ; U5.16@180.656,142.674 U5.16@180.667,142.663 ; U5.16@180.681,142.649 181.455,142.649 ; v2(187.452,116.586) 187.452,119.762 184.848,122.366 180.783,122.366 180.594,122.555 180.594,123.698 180.086,124.206 180.086,130.175 178.736,131.525 U20.78@178.736,137.163 178.786,137.213 178.786,137.817 179.145,138.176 v2(179.197,138.176) 180.848,138.176 181.991,139.319 181.991,142.113 181.455,142.649
  L4-SIG w0.2: v6(167.698,147.446) 167.703,147.44 171.062,147.44 172.396,148.774 172.396,150.806 172.593,151.003 172.593,151.013 172.71,151.13 175.006,151.13 175.641,150.495 175.641,149.479 v2(175.226,149.064)
  L6-SIG w0.2: U9.22@166.546,147.451 166.549,147.448 167.695,147.448 v6(167.698,147.446) ; v2(175.309,142.494) 175.309,142.499 174.859,142.949 174.859,148.355 175.187,148.684 175.187,149.025 v2(175.226,149.064) 175.264,149.102 v2(181.033,149.102) ; v2(187.452,116.586) 187.452,108.839 188.214,108.077 R142.2@189.065,108.077
Net10_6: 10.6 R41.1 R45.2 | length 13.9
  L1-SIG w0.2: v2(178.816,116.459) 178.816,117.162 R45.2@178.943,117.289
  L6-SIG w0.2: 10.6@168.56,112.395 170.942,112.395 173.018,114.471 176.828,114.471 v2(178.816,116.459) 178.435,116.84 R41.1@178.435,117.348